# Altium PCB ctrl_boardV1.1.PcbDoc (part 2 of 3) (continued)
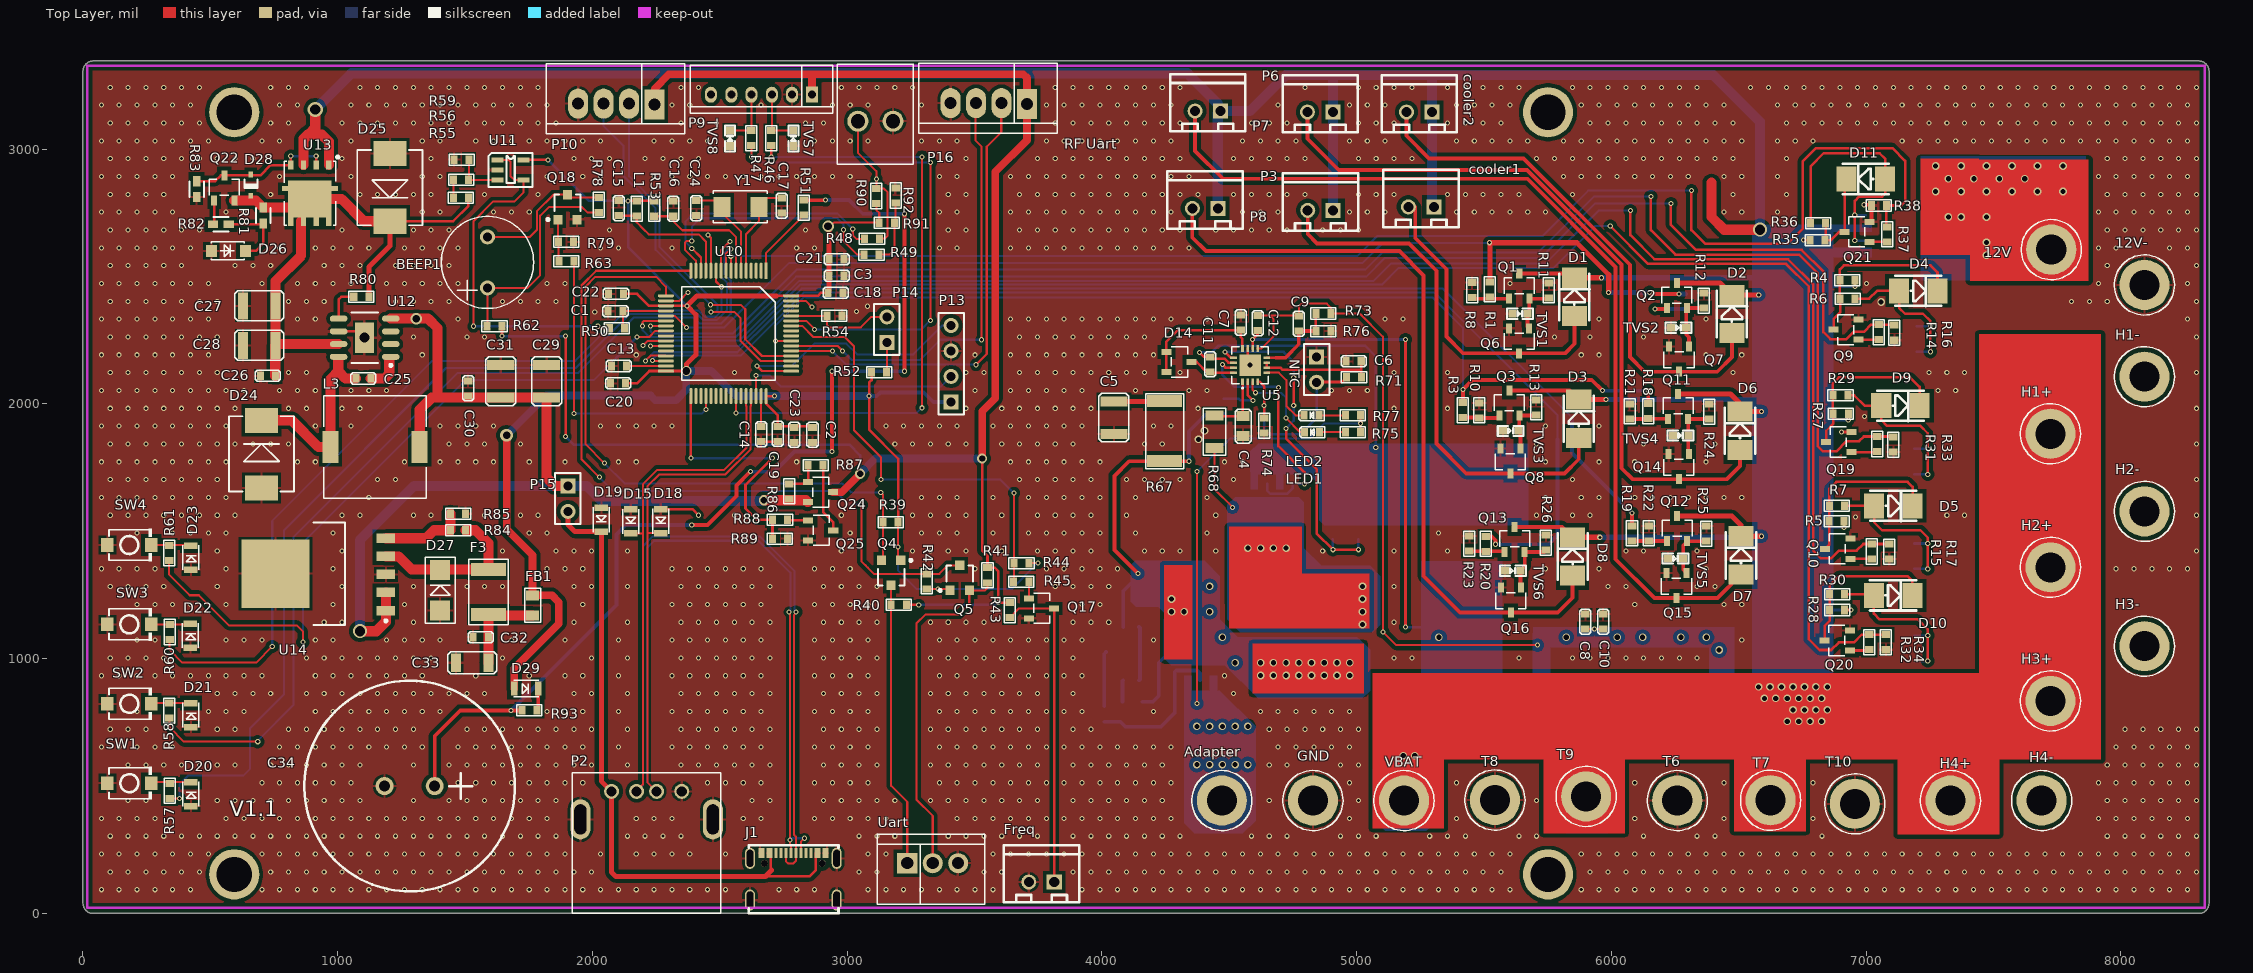
[diagram p0: Top Layer view]
## Nets (pads, with @x,y where several pads share a name; then routed paths per layer and width w, separated by ;. In a path a pad name is that pad's centre, name@x,y a point inside that pad or via, vN(x,y) a via of type N, cw(c..) or ccw(c..) an arc to the next point about the centre after c; other vN are vias at no path point) (continued)
  Top Layer w10: v1(6233.96,2787.24) 6233.96,2703.34 6332.15,2605.15 6747.15,2605.15 6832.15,2520.15 6832.15,2282.15 6860.15,2254.15 6923.15,2254.15 6953.15,2284.15 6993.15,2284.15 7020.21,2311.21 R14.2@7050.15,2311.21 7109.09,2311.21 R16.1@7111.15,2309.15
  Bottom Layer w8: v1(2197,2306.47) 2197,2289.08 2223.19,2262.88 2562.88,2262.88 2800,2500 5038,2500 5111,2573 5723,2573 5937.24,2787.24 v1(6233.96,2787.24)
heater_2: R31.2 R33.1 U10.23 | length 6101.4
  Top Layer w8: v1(2228.13,2306.47) U10.23@2288.3,2306.47
  Top Layer w10: v1(6155.22,2814.23) 6155.22,2682.08 6251.15,2586.15 6737.15,2586.15 6811.04,2512.26 6811.04,1833.32 6830.21,1814.15 6883.15,1814.15 6923.15,1854.15 6973.15,1854.15 6991.21,1872.21 R31.2@7043.15,1872.21 7105.09,1872.21 R33.1@7107.15,1870.15
  Bottom Layer w8: v1(2228.13,2306.47) 2228.13,2285.51 2237.76,2275.88 2549.88,2275.88 2801,2527 5034,2527 5101,2594 5711,2594 5931.23,2814.23 v1(6155.22,2814.23)
heater_3: R15.2 R17.1 U10.26 | length 6468.8
  Top Layer w8: v1(2198,2229) 2216.41,2247.41 U10.26@2288.3,2247.41
  Top Layer w10: v1(6074.51,2759.58) 6074.51,2662.79 6169.15,2568.15 6693.69,2568.15 6793.04,2468.8 6793.04,1423.26 6822.15,1394.15 6863.15,1394.15 6893.15,1424.15 6963.15,1424.15 6989.21,1450.21 R15.2@7023.15,1450.21 7091.09,1450.21 R17.1@7091.15,1450.15
  Bottom Layer w8: v1(2198,2229) 2218.88,2249.88 2579.12,2249.88 2812.23,2483 5067,2483 5136,2552 5742.9,2552 5950.48,2759.58 v1(6074.51,2759.58)
HEATER_4: R32.2 R34.1 U10.27 | length 6630.8
  Top Layer w8: v1(2228.13,2228) 2228.41,2227.72 U10.27@2288.3,2227.72
  Top Layer w10: v1(5995.77,2698.53) 6144.15,2550.15 6686.24,2550.15 6775.04,2461.35 6775.04,1077.26 6818.15,1034.15 6863.15,1034.15 6893.15,1064.15 6953.15,1064.15 6983.21,1094.21 R32.2@7012.15,1094.21 7078.09,1094.21 R34.1@7078.15,1094.15
  Bottom Layer w8: v1(2228.13,2228) 2575.62,2228 2816.62,2469 5100,2469 5164,2533 5771.46,2533 5936.2,2697.74 v1@5996.56,2697.74
inc: R60.2 U10.11 | length 3274
  Top Layer w8: R60.2@339.88,1075.23 339.88,1035.29 390.38,984.78 679.78,984.78 v1(743,1048) ; U10.11@2485.15,2523 2485.15,2480.85 v1(2506,2460)
  Bottom Layer w8: v1(743,1048) 743,1541 1371,2169 1932.92,2169 2130.12,2366.21 2417.24,2366.21 2441.1,2342.34 2483.46,2342.34 2506,2364.88 v1(2506,2460)
NetBEEP1_1: BEEP1.1 R62.1 R78.2 | length 863.1
  Top Layer w8: R62.1@1588,2307 BEEP1.1@1588,2456 1746,2456 1795,2505 1795,2739 1829,2773 1959,2773 1980.06,2751.95 R78.2@2025,2751.95
NetBEEP1_2: BEEP1.2 Q18.3 R78.1 | length 553.3
  Top Layer w8: BEEP1.2@1588,2656 1755,2656 1782,2683 1782,2756 1848.21,2822.21 Q18.3@1902,2822.21 1913.21,2811 R78.1@2025,2811
NetC1_2: C1.2 R50.2 U10.20 | length 237.9
  Top Layer w8: R50.2@2125.06,2297 2120.06,2302 C1.2@2120.06,2364 2121.58,2365.52 U10.20@2288.3,2365.52
NetC4_1: C4.1 R68.2 U5.1 | length 248.6
  Top Layer w10: R68.2@4442.15,1955.1 4445.1,1952.15 C4.1@4554.15,1952.15 4552.62,1953.68 U5.1@4552.62,2086.89
NetC5_1: C5.1 R67.2 | length 199.5
  Top Layer w10: R67.2@4233.15,2010.15 4244.93,2010.15 R67.2@4246.15,2011.37
  Top Layer w20: C5.1@4047.15,2010.15 R67.2@4233.15,2010.15
NetC6_2: C6.2 R71.1 U5.6 U5.7 | length 457.3
  Top Layer w10: U5.7@4647.41,2161.99 U5.6@4647.41,2142.31 4701.26,2142.31 4709.42,2134.15 5018.26,2134.15 ; C6.2@5018.26,2167.15 5018.26,2134.15 ; R71.1@5019.21,2104.15 5018.26,2105.1 5018.26,2134.15
NetC7_1: C7.1 D14.1 D14.2 U5.12 | length 505.1
  Top Layer w10: D14.2@4253.5,2125.41 D14.1@4253.5,2204.15 4253.5,2244.5 4299.15,2290.15 C7.1@4545.15,2290.15 4545.15,2262.15 4551.8,2255.5 U5.12@4551.8,2217.41
NetC9_1: C9.1 R73.2 R76.1 U5.8 | length 335.9
  Top Layer w10: U5.8@4647.41,2181.68 4673.15,2181.68 4683.15,2181.68 ; R73.2@4840.09,2355.15 4840.09,2285.86 R76.1@4840.15,2285.8
  Top Layer w15: 4683.15,2181.68 4720.68,2181.68 4773.15,2234.15 C9.1@4773.15,2286.15 4839.8,2286.15 R76.1@4840.09,2285.86
NetC11_1: C11.1 L2.1 U2.1 U2.3 U4.5 U4.6 U4.7 U4.8 U5.14 | length 1229.6
  Top Layer w10: v1(4383.15,2202.15) 4400.15,2185.15 C11.1@4426.15,2185.15 4434.15,2177.15 4482.68,2177.15 4496.76,2163.07 4496.76,2161.99 U5.14@4516.89,2161.99
  Bottom Layer w10: v1(4383.15,2202.15) 4431.15,2202.15 4458.15,2229.15 5033.15,2229.15 5075.15,2187.15 v1(5075.15,1829.15)
NetC11_2: C11.2 D14.3 U5.16 | length 182.4
  Top Layer w10: D14.3@4351.92,2164.78 4372.52,2164.78 4411.21,2126.1 C11.2@4426.15,2126.1 4429.62,2122.62 U5.16@4516.89,2122.62
NetC12_2: C12.2 L2.2 R70.1 U5.10 | length 1978
  Top Layer w10: U5.10@4591.99,2217.41 v1(4591.99,2252.99) 4611.15,2272.15 C12.2@4611.15,2288.1 ; v1(5191.99,1124.15) v1(5191.99,2252.99)
  Bottom Layer w10: v1(4591.99,2252.99) v1(5191.99,2252.99) ; v1(5191.99,1124.15) 5303.15,1124.15 5323.15,1104.15 v2(5323.15,1084.15) ; R70.1@5480.31,1005.31 R70.1@5488.15,1013.15
NetC13_2: C13.2 U10.31 | length 155.3
  Top Layer w8: C13.2@2133.06,2149 U10.31@2288.3,2148.98
NetC14_2: C14.2 U10.47 | length 119.9
  Top Layer w8: C14.2@2662,1911.06 2662.32,1911.37 U10.47@2662.32,2030.87
NetC15_2: C15.2 L1.1 U10.13 | length 513.2
  Top Layer w8: C15.2@2103,2738.95 2172.06,2738.95 L1.1@2174,2737 2174,2713 2200,2687 2221,2666 2417,2666 2445.78,2637.22 U10.13@2445.78,2523
NetC16_2: C16.2 R53.2 U10.7 | length 498.7
  Top Layer w8: R53.2@2243,2736.95 C16.2@2318,2736.95 2318,2716.74 2323.87,2710.87 2352.74,2682 2537,2682 2563.89,2655.11 U10.7@2563.89,2523
NetC25_1: C25.1 D24.2 L3.1 U12.8 | length 744.5
  Top Layer w40: D24.2@701,1935.75 819.25,1935.75 924.21,1830.79 L3.1@971.59,1830.79 971.59,2097.59 1002,2128 ; 1002,2168 1002,2128 ; C25.1@1071,2100 1030,2100 1002,2128
NetC25_2: C25.2 U12.1 | length 134.4
  Top Layer w40: C25.2@1130.06,2100 1184,2100 1202,2118 1202,2173
Netcooler1_2: cooler1.2 D1.1 Q6.3 | length 1214.1
  Top Layer w15: cooler1.2@5230,2774 5230,2652 5353.15,2528.85 5353.15,2264.15 5418.58,2198.72 Q6.3@5637.78,2198.72 5817.72,2198.72 5855.15,2236.15 D1.1@5855.15,2344.76
Netcooler2_2: cooler2.2 D2.1 Q7.3 | length 2083.6
  Top Layer w15: cooler2.2@5196,3146 5196,3053 5284.85,2964.15 5655.68,2964.15 6073.15,2546.68 6073.15,2184.15 6130.58,2126.72 Q7.3@6265.78,2126.72 6415.72,2126.72 6473.15,2184.15 D2.1@6473.15,2277.76
NetD3_1: D3.1 P3.2 Q8.3 | length 2051.3
  Top Layer w15: P3.2@4808.15,2760.15 4808.15,2666.85 4845,2630 5206,2630 5313.15,2522.85 5313.15,1844.15 5430.58,1726.72 Q8.3@5603.78,1726.72 5815.72,1726.72 5872.15,1783.15 D3.1@5872.15,1866.76
NetD4_1: D4.1 R6.2 U7.2 U7.4 | length 622.5
  Top Layer w10: R6.2@6957.21,2413.15 7012.15,2413.15 7043.15,2444.15 D4.1@7129.76,2444.15 7129.76,2377.54 7153.15,2354.15 7223.15,2354.15 7252.32,2324.98 v1(7252.32,2304.98) v1(7252.32,2204.98)
  Bottom Layer w10: U7.4@7199.24,2204.98 v1(7252.32,2204.98) ; U7.2@7199.24,2304.98 v1(7252.32,2304.98)
NetD4_2: D4.2 Q9.3 R4.1 R6.1 | length 721.5
  Top Layer w10: Q9.3@6872.72,2291.52 6872.72,2333.72 6898.15,2359.15 R6.1@6898.15,2413.15 6897.15,2414.15 R4.1@6897.15,2486.15 6897.15,2528.15 6913.15,2544.15 7253.15,2544.15 7280.54,2516.76 D4.2@7280.54,2444.15
NetD5_1: D5.1 R7.2 U8.2 U8.4 | length 645.8
  Top Layer w10: R7.2@6915.21,1600.15 D5.1@7031.76,1600.15 7031.76,1535.54 7063.15,1504.15 7213.15,1504.15 7242.32,1474.98 v1(7242.32,1452.18) v1(7242.32,1352.18)
  Bottom Layer w10: U8.4@7189.24,1352.18 v1(7242.32,1352.18) ; U8.2@7189.24,1452.18 v1(7242.32,1452.18)
NetD5_2: D5.2 Q10.3 R5.1 R7.1 | length 662.7
  Top Layer w10: Q10.3@6839.72,1431.52 6855.15,1446.95 R5.1@6855.15,1540.15 6856.15,1541.15 R7.1@6856.15,1600.15 6856.15,1667.15 6883.15,1694.15 7163.15,1694.15 7182.54,1674.76 D5.2@7182.54,1600.15
NetD6_1: D6.1 P6.2 Q14.3 | length 2910.2
  Top Layer w15: P6.2@4807,3146 4807,3041 4929.72,2918.28 5669.02,2918.28 6039.92,2547.38 6039.92,1747.38 6082.58,1704.72 Q14.3@6264.78,1704.72 6453.72,1704.72 6505.15,1756.15 D6.1@6505.15,1819.76
NetD7_1: D7.1 P7.2 Q15.3 | length 3737.3
  Top Layer w15: P7.2@4366,3150 4366,2993.33 4475.33,2884 5670.77,2884 6016.92,2537.86 6016.92,1390.38 6169.58,1237.72 Q15.3@6255.78,1237.72 6417.12,1237.72 D7.1@6509.15,1329.76
NetD8_1: D8.1 P8.2 Q16.3 | length 3019.8
  Top Layer w15: P8.2@4355,2768 4355,2654 4409,2600 5168,2600 5263.15,2504.85 5263.15,1324.15 5406.58,1180.72 Q16.3@5605.78,1180.72 5789.72,1180.72 5848.15,1239.15 D8.1@5848.15,1325.76
NetD9_1: D9.1 R29.2 U6.2 U6.4 | length 675
  Top Layer w10: R29.2@6929.21,2034.15 6953.15,2034.15 6994.15,1993.15 D9.1@7059.76,1993.15 7059.76,1937.54 7083.15,1914.15 7213.15,1914.15 7242.32,1884.98 v1(7242.32,1823.58) v1(7242.32,1723.58)
  Bottom Layer w10: U6.4@7189.24,1723.58 v1(7242.32,1723.58) ; U6.2@7189.24,1823.58 v1(7242.32,1823.58)
NetD9_2: D9.2 Q19.3 R27.1 R29.1 | length 681.4
  Top Layer w10: Q19.3@6843.72,1850.52 6843.72,1894.72 6871.15,1922.15 R27.1@6871.15,1962.15 6870.15,1963.15 R29.1@6870.15,2034.15 6870.15,2081.15 6893.15,2104.15 7173.15,2104.15 7210.54,2066.76 D9.2@7210.54,1993.15
NetD10_1: D10.1 R30.2 U9.2 U9.4 | length 655.2
  Top Layer w10: R30.2@6916.21,1252.15 7026.76,1252.15 D10.1@7030.76,1248.15 7030.76,1176.54 7053.15,1154.15 7203.15,1154.15 7242.32,1114.98 v1(7242.32,1090.77) v1(7242.32,990.77)
  Bottom Layer w10: U9.4@7189.24,990.77 v1(7242.32,990.77) ; U9.2@7189.24,1090.77 v1(7242.32,1090.77)
NetD10_2: D10.2 Q20.3 R28.1 R30.1 | length 629.2
  Top Layer w10: Q20.3@6837.72,1071.52 6837.72,1128.72 6857.15,1148.15 R28.1@6857.15,1191.15 R30.1@6857.15,1252.15 6857.15,1288.15 6893.15,1324.15 7163.15,1324.15 7181.54,1305.76 D10.2@7181.54,1248.15
NetD11_1: D11.1 R36.2 U3.2 U3.4 | length 1054.1
  Top Layer w10: R36.2@6782.09,2710.15 6782.09,2933.1 6833.15,2984.15 7053.15,2984.15 7074.54,2962.76 D11.1@7074.54,2883.15 7074.54,2825.54 7063.15,2814.15 6973.15,2814.15 6955.77,2796.77 v1(6955.77,2741.53) v1(6955.77,2641.53)
  Bottom Layer w10: v1(6955.77,2641.53) U3.2@6998.55,2641.53 ; v1(6955.77,2741.53) U3.4@6998.55,2741.53
NetD11_2: D11.2 Q21.3 R35.1 R36.1 | length 368.8
  Top Layer w10: R36.1@6841.15,2710.15 6841.15,2645.15 R35.1@6839.15,2643.15 6862.15,2643.15 6894.52,2675.52 Q21.3@6915.72,2675.52 6915.72,2875.12 D11.2@6923.76,2883.15
NetD12_3: D12.3 D13.3 R68.1 U2.5 U2.6 U2.7 U2.8 | length 262.4
  Top Layer w8: R68.1@4442.15,1827.15 4442.15,1665.15 v1(4513.15,1594.15)
  other v2: 5023.15,1134.15 5023.15,1184.15 5023.15,1234.15 5023.15,1284.15 4573.15,1434.15 4623.15,1434.15 4673.15,1434.15 4723.15,1434.15
NetD17_2: D17.2 R64.1 R65.1 | length 211.7
  Bottom Layer w15: R65.1@4146.13,915.15 4149.42,918.43 D17.2@4149.42,1026.15 4149.42,1120.87 R64.1@4146.13,1124.15
NetD20_2: D20.2 R57.1 SW1.2 | length 157.8
  Top Layer w8: SW1.2@267.9,511.29 272.39,515.77 D20.2@423.88,515.77
NetD21_2: D21.2 R58.1 SW2.2 | length 157.1
  Top Layer w8: SW2.2@267.9,822.95 270.72,825.77 D21.2@423.88,825.77
NetD22_2: D22.2 R60.1 SW3.2 | length 150.8
  Top Layer w8: SW3.2@267.9,1134.62 D22.2@418.73,1134.62
NetD23_2: D23.2 R61.1 SW4.2 | length 157
  Top Layer w8: SW4.2@267.9,1446.29 421.37,1446.29 D23.2@423.88,1443.77
NetD26_2: D26.2 R81.1 R82.1 | length 297.3
  Top Layer w10: R82.1@572.35,2705 702.98,2705 R81.1@707,2709.02 707,2629.54 678.46,2601 D26.2@637.27,2601
NetD27_2: D27.2 F3.1 R84.1 U14.4 | length 638.5
  Top Layer w40: U14.4@1189,1401.6 1238.4,1401.6 1290,1350 F3.1@1592,1350 1592,1453 1541,1504 R84.1@1502,1504
NetD28_1: D28.1 Q22.3 R83.1 U13.2 U13.4 | length 567
  Top Layer w10: R83.1@446,2873.98 447,2874.98 518.98,2874.98 541.43,2897.43 696.43,2897.43 736.6,2937.6 U13.4@815.62,2937.6 v1(815.62,2973.09) ; U13.2@915.62,2937.6 v1(915.62,2973.09)
  Bottom Layer w10: v1(815.62,2973.09) v1(915.62,2973.09)
NetD29_2: D29.2 R93.1 | length 88.3
  Top Layer w15: R93.1@1782,797 1787.49,802.49 D29.2@1787.49,883
NetH1-_1: H1-.1 U7.1 U7.3
NetH2-_1: H2-.1 U6.1 U6.3
NetH3-_1: H3-.1 U8.1 U8.3
NetH4-_1: H4-.1 U9.1 U9.3
NetLED1_1: LED1.1 R75.1 | length 101
  Top Layer w8: LED1.1@4854.6,1889.37 R75.1@4955.6,1889.37
NetLED1_2: LED1.2 U5.3 | length 351
  Top Layer w8: U5.3@4591.99,2086.89 4591.99,2054.84 v1(4602.68,2044.15) ; v1(4723.15,1944.15) 4777.93,1889.37 LED1.2@4795.54,1889.37
  Bottom Layer w8: v1(4602.68,2044.15) 4604.68,2042.15 4705.15,2042.15 4723.15,2024.15 v1(4723.15,1944.15)
NetLED2_1: LED2.1 R77.1 | length 103.9
  Top Layer w8: LED2.1@4852.6,1955.37 4955.37,1955.37 R77.1@4956.15,1956.15
NetLED2_2: LED2.2 U5.5 | length 274.6
  Top Layer w8: U5.5@4647.41,2122.62 4694.68,2122.62 4724.15,2093.15 4724.15,1992.04 4760.82,1955.37 LED2.2@4793.54,1955.37
NetNTC_2: NTC.2 R71.2 R74.1 U5.4 | length 733.8
  Top Layer w10: U5.4@4611.68,2086.89 4620.41,2086.89 4637.15,2070.15 v1(4637.15,1994.15) R74.1@4637.15,1944.15 ; NTC.2@4867.15,2086.15 4942.15,2086.15 R71.2@4960.15,2104.15
  Bottom Layer w10: v1(4637.15,1994.15) 4637.15,1900.15 4656.15,1881.15 4780.15,1881.15 4843.15,1944.15 NTC.2@4843.15,2085.15
NetP1_1: Q4.3 R40.1 Uart.1 | length 1118.3
  Top Layer w8: Q4.3@3173,1287.79 R40.1@3173,1211 3173,501 3236,438 Uart.1@3236,197 Uart.1@3237,198
NetP1_2: Q5.2 R41.1 Uart.2 | length 1365.6
  Top Layer w8: Uart.2@3336,197 3336,383 3272,447 3272,1138 3308,1174 3440,1174 3479.4,1213.4 Q5.2@3479.4,1267.79 ; Q5.2@3479.4,1277 Q5.2@3479.4,1267.79 ; R41.1@3551,1298 3551,1278 3540.79,1267.79 Q5.2@3479.4,1267.79
NetP4_1: Freq.1 Q17.3 R43.1 | length 1263.9
  Top Layer w8: R43.1@3638,1161 3674.63,1197.63 Q17.3@3811.43,1197.63 3813,1196.06 Freq.1@3813,123
NetP9_3: P9.3 R46.1 TVS7.2 | length 229
  Top Layer w8: P9.3@2704.52,3214 2704.52,3075.52 R46.1@2702,3073 TVS7.2@2789,3073
NetP9_4: P9.4 R47.1 TVS8.2 | length 225.1
  Top Layer w8: TVS8.2@2540,3073 R47.1@2624,3073 2623.81,3073.19 P9.4@2623.81,3214
NetP14_1: P14.1 R52.1 | length 117.4
  Top Layer w8: R52.1@3155,2125 3156,2126 P14.1@3156,2242
NetQ1_1: Q1.1 R1.1 R8.2 | length 147.6
  Top Layer w15: R8.2@5453.15,2417.1 5457.09,2413.15 Q1.1@5599.15,2413.15
NetQ1_2: Q1.2 Q6.1 R11.1 TVS1.2 | length 199.8
  Top Layer w15: Q6.1@5677.15,2297.15 5671.15,2303.15 TVS1.2@5671.15,2354.15 5677.89,2360.89 Q1.2@5677.89,2413.15 5752.15,2413.15 R11.1@5755.15,2416.15
NetQ2_1: Q2.1 R2.1 R9.2 | length 165.7
  Top Layer w15: v1(6172.15,2373.15) 6215.15,2373.15 Q2.1@6218.15,2376.15
  Bottom Layer w15: v1(6172.15,2373.15) R9.2@6219.15,2373.15 6289.09,2373.15 R2.1@6290.15,2372.09
NetQ2_2: Q2.2 Q7.1 R12.1 TVS2.2 | length 223
  Top Layer w15: Q7.1@6305.15,2225.15 6305.15,2262.15 6294.15,2273.15 TVS2.2@6294.15,2299.15 6294.15,2373.41 Q2.2@6296.89,2376.15 R12.1@6363.15,2376.15
NetQ3_1: Q3.1 R3.1 R10.2 | length 146.7
  Top Layer w15: R3.1@5417.5,1946.47 5480.44,1946.47 R10.2@5481.5,1945.41 5551.41,1945.41 Q3.1@5560.15,1954.15
NetQ3_2: Q3.2 Q8.1 R13.1 TVS3.2 | length 203.6
  Top Layer w15: TVS3.2@5635.15,1894.15 TVS3.2@5638.89,1897.89 ; Q8.1@5643.15,1825.15 5643.15,1893.63 TVS3.2@5638.89,1897.89 ; R13.1@5705.15,1957.15 5702.15,1954.15 Q3.2@5638.89,1954.15 TVS3.2@5638.89,1897.89
NetQ9_1: Q9.1 R14.1 | length 79
  Top Layer w10: Q9.1@6971.15,2252.15 R14.1@7050.15,2252.15
NetQ10_1: Q10.1 R15.1 | length 85.4
  Top Layer w10: Q10.1@6938.15,1392.15 7022.15,1392.15 R15.1@7023.15,1391.15
NetQ11_1: Q11.1 R18.1 R21.2 | length 150.4
  Top Layer w15: R21.2@6072.15,1941.1 6144.09,1941.1 R18.1@6145.15,1942.15 Q11.1@6222.15,1942.15
NetQ11_2: Q11.2 Q14.1 R24.1 TVS4.2 | length 218.4
  Top Layer w15: Q14.1@6301.89,1805.41 Q11.2@6301.89,1941.15 6383.15,1941.15 R24.1@6384.15,1940.15
NetQ12_1: Q12.1 R19.1 R22.2 | length 138.4
  Top Layer w15: R19.1@6081.15,1462.15 6218.15,1462.15 Q12.1@6219.15,1461.15
NetQ12_2: Q12.2 Q15.1 R25.1 TVS5.2 | length 212.2
  Top Layer w15: Q15.1@6295.15,1336.15 6282.15,1349.15 TVS5.2@6282.15,1393.15 6282.15,1445.41 Q12.2@6297.89,1461.15 R25.1@6373.15,1461.15
NetQ13_1: Q13.1 R20.1 R23.2 | length 139.2
  Top Layer w15: R23.2@5443.15,1422.1 5578.21,1422.1 Q13.1@5581.15,1419.15
NetQ13_2: Q13.2 Q16.1 R26.1 TVS6.2 | length 233.9
  Top Layer w15: Q16.1@5645.15,1279.15 5643.15,1281.15 TVS6.2@5643.15,1345.15 5659.89,1361.89 Q13.2@5659.89,1419.15 5736.15,1419.15 R26.1@5743.15,1426.15
NetQ17_1: Q17.1 R45.1 | length 65
  Top Layer w8: Q17.1@3713,1237 R45.1@3713,1302
NetQ18_1: Q18.1 R63.2 R79.1 | length 164.2
  Top Layer w8: Q18.1@1864.6,2723.79 1864.6,2638.4 R79.1@1867,2636 1867,2561.95 R63.2@1867.95,2561
NetQ19_1: Q19.1 R31.1 | length 101.8
  Top Layer w10: Q19.1@6942.15,1811.15 7041.15,1811.15 R31.1@7043.15,1813.15
NetQ20_1: Q20.1 R32.1 | length 77.2
  Top Layer w10: Q20.1@6936.15,1032.15 7009.15,1032.15 R32.1@7012.15,1035.15
NetQ21_1: Q21.1 R37.1 | length 69
  Top Layer w10: Q21.1@7014.15,2636.15 R37.1@7083.15,2636.15
NetQ22_1: Q22.1 R82.2 | length 96
  Top Layer w10: R82.2@510.38,2705 515.26,2709.88 Q22.1@515.26,2799
NetQ23_1: Q23.1 R65.2 | length 85.2
  Bottom Layer w15: Q23.1@4081.15,831.15 4081.15,912.13 R65.2@4084.17,915.15
NetQ23_3: Q23.3 R66.1 U1.2 U1.4 | length 600.3
  Bottom Layer w15: R66.1@4009.15,752.17 4073.71,752.17 4093.15,732.72 Q23.3@4120.52,732.72 4231.72,732.72 4285.77,786.77 U1.4@4285.77,916.55 4285.77,946.77 4293.15,954.15 4373.15,954.15 4385.77,941.53 U1.2@4385.77,916.55
NetQ24_1: Q24.1 R86.1 R87.2 | length 139.3
  Top Layer w10: R86.1@2772,1686 2837,1686 Q24.1@2844,1693 ; Q24.1@2846,1695 2846.95,1695.95 R87.2@2846.95,1759
NetQ25_1: Q25.1 R88.1 | length 80
  Top Layer w10: R88.1@2767,1543 Q25.1@2847,1543
NetQ25_3: Q25.3 R87.1 | length 271.6
  Top Layer w10: R87.1@2906,1759 2906,1575 2946,1535 Q25.3@2946,1504
NetR46_2: R46.2 U10.42 | length 2427.4
  Top Layer w8: v1(2563.89,1964.89) U10.42@2563.89,2030.87 ; v1(2702,2970) R46.2@2702,3013.95 ; v1@3294,1983 v1(3294,2970)
  Bottom Layer w8: v1(2563.89,1964.89) 3273.89,1964.89 v1(3294,1985) ; v1(2702,2970) v1(3294,2970)
NetR47_2: R47.2 U10.59 | length 1955.9
  Top Layer w8: v1(2624,2970) R47.2@2624,3013.95 ; U10.59@2780.43,2326.15 2838.85,2326.15 v1(2872,2293) ; v1(3327,2328) v1(3327,2948)
  Bottom Layer w8: v1(2624,2970) 2646,2948 v1(3327,2948) ; v1(2872,2293) 2902,2293 ; 2897,2293 2902,2293 ; v1(3327,2328) 3292,2293 2902,2293
NetR48_2: R48.2 U10.14 | length 989.8
  Top Layer w8: v1(2390,2611) 2426.09,2574.91 U10.14@2426.09,2523 ; v1(3022,2687) 3022,2662 3036,2648 R48.2@3067.95,2648
  Bottom Layer w8: v1(2390,2611) 2365,2636 2365,2714.88 2398,2747.89 2961.12,2747.89 v1(3022,2687)
NetR49_2: R49.2 U10.15 | length 1001.6
  Top Layer w8: v1(2390,2640) 2370,2640 2363,2633 2363,2606 2406.41,2562.59 U10.15@2406.41,2523 ; v1(2986,2684) 2986,2639 3039,2586 R49.2@3065.95,2586
  Bottom Layer w8: v1(2390,2640) 2390,2696 2423,2729 2911.45,2729 2911.95,2729.5 2961.12,2729.5 2986.03,2704.59 v1(2986,2684)
NetR51_2: R51.2 U10.1 | length 279.2
  Top Layer w8: U10.1@2682,2523 2682,2592.95 R51.2@2830,2740.95
NetR55_2: R55.2 R56.1 | length 70.4
  Top Layer w8: R55.2@1453.95,2810 1455,2811.06 R56.1@1455,2880
NetR56_2: R56.2 R59.1 U11.3 | length 193.7
  Top Layer w8: R59.1@1516,2959 1516,2881.95 R56.2@1514.06,2880 1627.45,2880 U11.3@1627.82,2879.63
NetR69_2: R69.2 R72.1 U5.2 | length 198.6
  Top Layer w10: U5.2@4572.31,2086.89 4572.31,2034.99 v1(4593.15,2014.15)
  Bottom Layer w10: R69.2@4478.8,2019.76 R72.1@4537.76,2019.76 ; R72.1@4538.15,2020.15 R72.1@4537.76,2019.76 ; v1(4593.15,2014.15) 4543.38,2014.15 R72.1@4537.76,2019.76
NetR80_1: R80.1 U12.5 | length 138.3
  Top Layer w10: U12.5@1003.64,2335 1003.64,2409.64 1014,2420 R80.1@1063,2420
NetR84_2: R84.2 R85.2 U14.5 | length 332
  Top Layer w40: U14.5@1189,1472.47 1346.46,1472.47 1378,1504 R84.2@1442.95,1504 R85.2@1442.95,1569
NetU2_2: U2.2 U2.4 U5.15 | length 954.2
  Top Layer w10: v1(4473.15,2154.15) 4484.99,2142.31 U5.15@4516.89,2142.31 ; v1(4693.15,2064.15) 4693.15,1834.15 4795.75,1731.55 v1(4795.75,1686.75)
  Bottom Layer w10: v1(4473.15,2154.15) 4473.15,2114.15 4520.15,2067.15 4690.15,2067.15 v1(4693.15,2064.15) ; U2.2@4649.53,1686.75 4649.53,1658.77 4661.15,1647.15 4726.15,1647.15 4749.53,1670.53 U2.4@4749.53,1686.75 v1(4795.75,1686.75)
NetU4_2: U4.2 U4.4 U5.13 | length 1336
  Top Layer w10: v1(4483.15,2204.15) 4505.62,2181.68 U5.13@4516.89,2181.68 ; v1(4723.15,1904.15) 4723.15,1864.15 4843.15,1744.15 4843.15,1491.39 v1(4906.77,1427.77) v1(5006.77,1427.77) ; v1(4753.15,1994.15) v1(4753.15,2104.15)
  Bottom Layer w10: v1(4483.15,2204.15) 4713.15,2204.15 4753.15,2164.15 v1(4753.15,2104.15) ; v1(4723.15,1904.15) 4753.15,1934.15 v1(4753.15,1994.15) ; v1(4906.77,1427.77) U4.4@4906.77,1468.55 ; v1(5006.77,1427.77) U4.2@5006.77,1468.55
ok: R58.2 U10.9 | length 3740.8
  Top Layer w8: R58.2@339.88,766.72 339.88,730.29 396.17,674 v1(686,674) ; U10.9@2524.52,2523 2524,2523.52 2524,2589 v1(2543,2608)
  Bottom Layer w8: v1(686,674) 686,677.25 691.56,682.8 691.56,683.56 826,818 826,1476 1472,2122 1945.06,2122 2163.26,2340.21 2394.8,2340.21 2419,2316 2505.56,2316 2543,2353.44 2543,2484.16 2517.84,2509.32 2517.84,2593 2530.54,2605.7 2540.7,2605.7 v1(2543,2608)
OSC_IN: C17.2 U10.5 Y1.2 | length 327.2
  Top Layer w8: U10.5@2603.26,2523 2603.26,2667.26 2653.67,2717.67 Y1.2@2653.67,2774 ; 2687.72,2808.06 C17.2@2743,2808.06
OSC_OUT: C24.2 U10.6 Y1.1 | length 343.2
  Top Layer w8: C24.2@2408,2798.06 Y1.1@2483.95,2798.06 ; Y1.1@2508,2759 2508,2751 2583.58,2675.43 U10.6@2583.58,2523
PT2_1: P16.2 R48.1 R90.1 | length 552.2
  Top Layer w8: P16.2@3042.21,3110 3042.21,2986.8 3115,2914 v1(3115,2883) R90.1@3115,2846 3144,2846 3159,2831 3159,2660.32 3148.09,2649.41 3128.41,2649.41 R48.1@3127,2648
PT2_2: R49.1 R91.1 R92.2 | length 253.9
  Top Layer w8: R49.1@3125,2586 3166,2586 3185,2605 R91.1@3185,2712 3190,2717 R92.2@3190,2788.95
PWR_EN: R88.2 R89.1 U10.33 | length 1003.6
  Top Layer w10: v1(2386.72,1787.72) U10.33@2386.72,2030.87 ; R89.1@2706,1471 2706.95,1471.95 R88.2@2706.95,1546 2645,1546 2601,1590 2601,1682.45 v1(2706.28,1787.72)
  Bottom Layer w10: v1(2386.72,1787.72) v1(2706.28,1787.72)
rf_rxd: "RF Uart.3" U10.54 | length 1742.3
  Top Layer w8: U10.54@2780.43,2227.72 2962.28,2227.72 v1(2982,2208) ; 3503,3181 3503,3035 3528,3010 3528,2278 v1(3528,2252)
  Bottom Layer w8: v1(2982,2208) 3017,2173 3287,2173 3366,2252 v1(3528,2252)
rf_txd: "RF Uart.2" U10.53 | length 1815.9
  Top Layer w8: U10.53@2780.43,2208.04 v1(2942,2208) ; v1(3506,2154) 3548,2196 3548,3010 3605,3067 3605,3181
  Bottom Layer w8: v1(2942,2208) 2996,2154 v1(3506,2154)
set: R57.2 U10.10 | length 3930.3
  Top Layer w8: R57.2@339.88,451.23 v1(378.51,451.23) ; U10.10@2504.84,2523 2504.84,2602.84 v1(2540,2638)
  Bottom Layer w8: v1(378.51,451.23) 378.51,507.28 412.23,541 629.19,541 656,567.81 656,728 789,861 789,1505 1425,2141 1934.15,2141 2146.36,2353.21 2411.85,2353.21 2436.06,2329 2488.5,2329 2528.94,2369.44 2528.94,2475.81 2504.84,2499.92 2504.84,2602.84 v1(2540,2638)
SPEAK: R63.1 U10.36 | length 1176.2
  Top Layer w8: v1(1927,1963) R63.1@1927,2561 ; U10.36@2445.78,2030.87 2445.78,1978.22 v1(2446,1978)
  Bottom Layer w8: v1(1927,1963) 2431,1963 v1(2446,1978)
SWCLK: P13.4 U10.49 | length 1005.2
  Top Layer w8: v1(2646,2149) 2665.7,2129.3 U10.49@2780.43,2129.3
  Bottom Layer w8: v1(2646,2149) 2783,2149 2871,2237 2997,2237 3039,2195 3260,2195 3373,2308 P13.4@3408,2308
SWDIO: P13.2 U10.46 | length 881.8
  Top Layer w8: U10.46@2642.63,2030.87 v1(2642.63,2112.37)
  Bottom Layer w8: v1(2642.63,2112.37) 2696,2112.37 2740.37,2068 3368,2068 P13.2@3408,2108
USB_ID: U10.43
USB_N: D15.2 J1.A7 J1.B7 P2.2 U10.44 | length 4787.8
  Top Layer w8: D15.2@2150,1491.51 2196.31,1491.51 ; P2.2@2173.47,479.24 2173.47,482.69 2197.8,507.02 2197.8,1684.25 2254.54,1741 2517,1741 2605.1,1829.1 2605.1,1991.16 2603.26,1993 U10.44@2603.26,2030.87 ; J1.B7@2759.47,237 2759.47,204.53 2767.68,196.32 2789.52,196.32 2798.84,205.64 J1.A7@2798.84,237 2798.84,300.91 2792,307.75 2792,1171.89 2799,1178.89 v1(2799,1183)
  Bottom Layer w8: P2.2@2173.47,479.24 2173.47,480.69 2198.8,506.02 2198.8,1442.42 2235.37,1479 2658.63,1479 2793,1344.63 v1@2793,1189
USB_P: D18.2 J1.A6 J1.B6 P2.3 U10.45 | length 4767.2
  Top Layer w8: 2216.28,1492.51 D18.2@2269,1492.51 ; P2.3@2252.21,479.24 2215.8,515.65 2215.8,1676.8 2262,1723 2521.63,1723 2621.1,1822.48 2621.1,1991.16 2622.95,1993 U10.45@2622.95,2030.87 ; v1(2771,1183) 2776,1178 2776,270.87 2779.16,267.72 J1.A6@2779.16,237 ; J1.B6@2818.53,237 2818.53,281.22 v1(2832.31,295)
  Bottom Layer w8: P2.3@2252.21,479.24 2214.8,516.65 2214.8,1435.8 2242,1463 2652,1463 2777,1338 2777,1189 v1(2771,1183) ; v1(2776,288.16) 2782.84,295 v1(2832.31,295)
VCC_3.3V: C32.2 C33.2 F3.2 FB1.1 | length 363
  Top Layer w40: C33.2@1591.95,984 C33.2@1591.95,984 F3.2@1592,1172.84 1594.84,1170 FB1.1@1765,1170
VCC_5V: C29.1 C30.1 C31.1 L3.2 P15.1 Q24.2 R86.2 U12.4 U14.1 U14.2 | length 4016.1
  Top Layer w40: v4(1087,1108) 1152,1108 1189,1145 U14.1@1189,1189 U14.2@1189,1259.87 ; U12.4@1208.36,2335 v5(1309,2335) 1355,2335 1392,2298 1392,2030 1387,2025 ; L3.2@1321.98,1830.79 1321.98,1977.98 1369,2025 1387,2025 ; P15.1@1904,1678 1852,1678 1820,1710 C29.1@1820,2025 C31.1@1640,2025 1387,2025 ; v3(2673,1622) 2838,1622 Q24.2@2845,1615
  Bottom Layer w40: v4(1087,1108) 1087,1466 1299,1678 P15.1@1904,1678 1978,1678 2036.5,1619.5 2670.5,1619.5 v3(2673,1622) ; v3@2673,1621 v3@2674,1621
VCC_5V_DRV: "RF Uart.1" P9.1 P10.1 Q24.3 R40.2 R41.2 R43.2 R62.2 | length 6802.9
  Top Layer w10: v1(1645.06,2266.58) R62.2@1645.06,2305 ; v1(1894.42,1871.58) v1(1894.42,2266.58) ; R40.2@3232.06,1211 v1(3281,1211) ; v3(3530,1786) 3530,1425 3551,1404 R41.2@3551,1357.06 3579.95,1357.06 3593,1344 v1(3593,1221) 3593.95,1220.06 R43.2@3638,1220.06
  Top Layer w30: P10.1@2244,3175 2244,3238 2300,3294 2865,3294 ; P9.1@2862,3214 2862,3291 2865,3294 ; Q24.3@2944.43,1653.63 2978.63,1653.63 v3(3051,1726) ; v3(3530,1786) 3530,1971 3582,2023 3582,2911 3706,3035 3706,3177 3706,3280 3692,3294 2865,3294
  Bottom Layer w10: v1(1645.06,2266.58) v1(1894.42,2266.58) ; v1(1894.42,1871.58) 1926,1840 3009,1840 3051,1798 v3(3051,1726) ; v1(3281,1211) 3583,1211 v1(3593,1221)
  Bottom Layer w30: v3(3051,1726) 3111,1786 v3(3530,1786)
VCC_RTC: C34.1 R51.1 R93.2 | length 4083.5
  Top Layer w15: C34.1@1380.85,500 1380.85,696.85 1481,797 v1(1680.21,797) R93.2@1722.95,797 ; v1(2390,1524.5) 2451.5,1524.5 2565,1638 2565,1679.4 v1(2619.8,1734.2) ; R51.1@2830,2800 v1(2914.96,2800) ; v1(2941,1813) v1(2941,2128.34) ; v1(3225.34,2128.34) v1(3225.34,2746.72)
  Bottom Layer w15: v1(1680.21,797) 2094,1210.8 2094,1487.56 2130.94,1524.5 v1(2390,1524.5) ; v1(2619.8,1734.2) 2714.38,1734.2 2793.18,1813 v1(2941,1813) ; v1@2915.68,2800.72 3007.28,2800.72 3061.28,2746.72 v1(3225.34,2746.72) ; v1(2941,2128.34) v1(3225.34,2128.34)
VIN_Adatper: Adapter.1 R75.2 R77.2 U1.1 U1.3 | length 1697
  Top Layer w8: v1(4373.15,824.15) v1(4373.15,1734.15) ; R75.2@5015.21,1889.92 v1(5015.21,1924.15) R77.2@5015.21,1956.15
  Bottom Layer w8: v1(4373.15,1734.15) 4503.15,1864.15 4813.15,1864.15 4873.15,1924.15 v1(5015.21,1924.15)
  other v2: 4373.15,584.15 4423.15,584.15 4473.15,584.15 4523.15,584.15 4573.15,584.15 4373.15,734.15 4423.15,734.15 4473.15,734.15 4523.15,734.15 4573.15,734.15